# KiCad board jetson-orin-baseboard-oculink-expansion.kicad_pcb (continued)
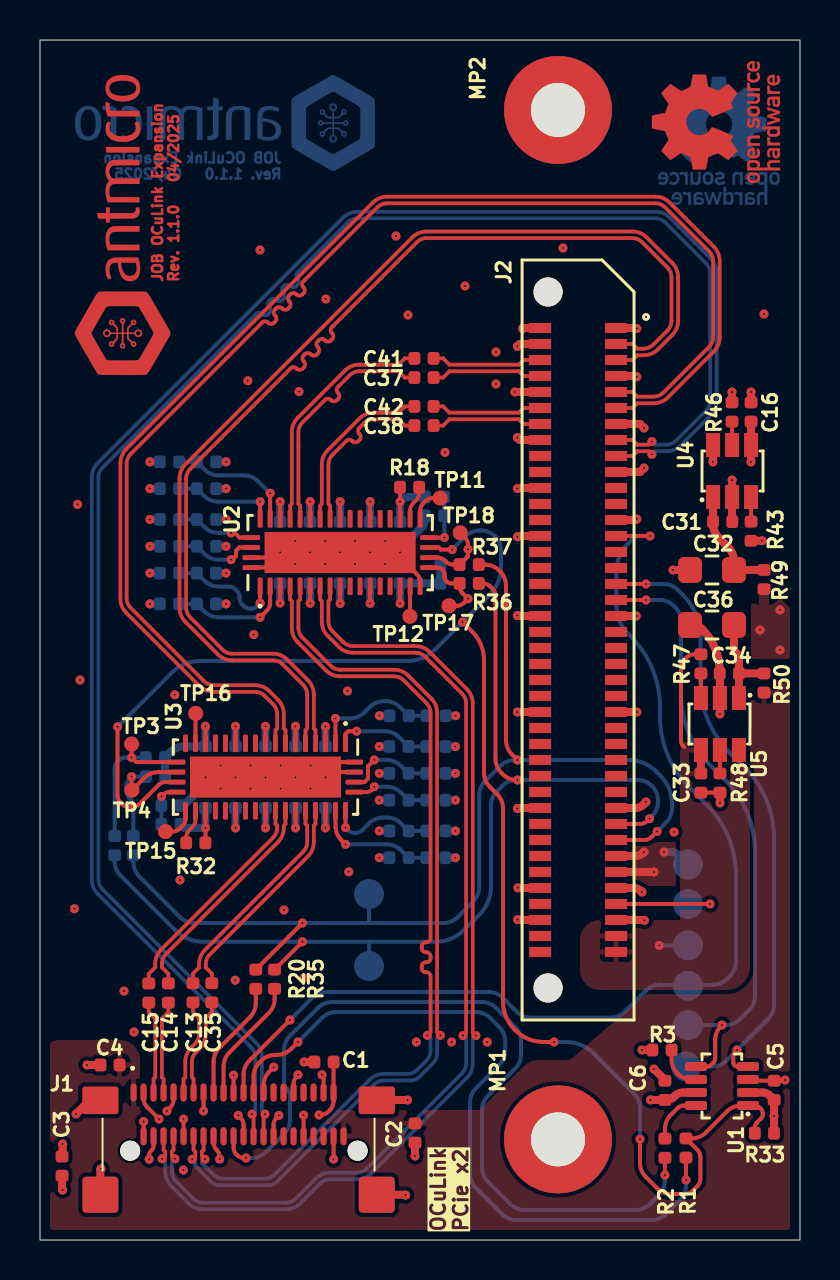
[diagram p0: board, top side]
## Routing (per net, layer and track width the routed paths; a pad name or vN(x,y) marks a point on that pad's centre or on a via; arc(x,y) is an arc through that point) (continued)
/PCIE_{O}_RX0-: length 49.4
  Top w0.185: v1(21.15,10.22) 21.31,10.38 21.31,26.83 arc(21.26,27.09) 21.11,27.31 19.25,29.17 arc(19.03,29.31) 18.77,29.36 15.65,29.36 arc(15.26,29.44) 14.94,29.66 14.38,30.21 arc(14.17,30.54) 14.09,30.92 14.09,31.94 14,32.03 U2.7 ; v1(6.75,4.06) 6.59,4.22 6.59,4.42 6.68,4.5 J1.A4
  Bottom w0.185: v1(21.15,10.22) 21.31,10.07 21.31,8.82 arc(21.26,8.56) 21.11,8.34 16.33,3.56 arc(16.11,3.42) 15.85,3.37 14.5,3.37 arc(14.11,3.29) 13.79,3.07 12.78,2.06 arc(12.56,1.92) 12.3,1.87 8.15,1.87 arc(7.89,1.92) 7.67,2.06 6.79,2.94 arc(6.64,3.16) 6.59,3.42 6.59,3.9 v1(6.75,4.06)
/PCIE_{O}_RX1+: length 45.1
  Top w0.185: v1(7.61,4.04) 7.76,4.19 7.76,4.42 7.68,4.5 J1.A6 ; U2.5 13,32.03 12.92,31.94 12.92,30.6 arc(12.97,30.34) 13.12,30.13 14.53,28.71 arc(14.75,28.57) 15.01,28.52 17.7,28.52 arc(18.09,28.44) 18.41,28.22 19.56,27.07 arc(19.78,26.74) 19.86,26.36 19.86,10.39 v1(20.01,10.23)
  Bottom w0.185: v1(7.61,4.04) 7.76,3.88 7.76,3.7 8.54,2.93 arc(8.75,2.79) 9.01,2.74 11.39,2.74 arc(11.65,2.79) 11.86,2.93 16.71,7.78 arc(16.93,7.92) 17.19,7.97 18.51,7.97 arc(18.77,8.03) 18.98,8.17 19.66,8.85 arc(19.81,9.07) 19.86,9.32 19.86,10.08 v1(20.01,10.23)
/PCIE_{O}_RX1-: length 45.1
  Top w0.185: J1.A7 8.18,4.5 8.09,4.42 8.09,4.19 v1(8.25,4.04) ; v1(19.37,10.23) 19.53,10.39 19.53,13.18 arc(19.47,13.33) 19.33,13.38 19.29,13.38 arc(19.14,13.44) 19.09,13.58 19.09,13.68 arc(19.14,13.83) 19.29,13.88 19.33,13.88 arc(19.47,13.94) 19.53,14.08 19.53,14.18 arc(19.47,14.33) 19.33,14.38 19.29,14.38 arc(19.14,14.44) 19.09,14.58 19.09,14.68 arc(19.14,14.83) 19.29,14.88 19.33,14.88 arc(19.47,14.94) 19.53,15.08 19.53,26.36 arc(19.48,26.62) 19.33,26.84 18.18,27.99 arc(17.96,28.13) 17.7,28.19 15.01,28.19 arc(14.62,28.26) 14.3,28.48 12.88,29.89 arc(12.67,30.22) 12.59,30.6 12.59,31.94 12.5,32.03 U2.4
  Bottom w0.185: v1(8.25,4.04) 8.09,3.88 8.09,3.84 8.67,3.26 arc(8.89,3.12) 9.15,3.06 11.25,3.06 arc(11.51,3.12) 11.73,3.26 16.48,8.01 arc(16.8,8.23) 17.19,8.31 18.37,8.31 arc(18.63,8.36) 18.85,8.5 19.33,8.98 arc(19.48,9.2) 19.53,9.46 19.53,10.08 v1(19.37,10.23)
/PCIE_{O}_TX0+: length 4.7
  Top w0.185: C15.2 5.44,11.39 5.76,11.06 5.76,8.14 5.68,8.06 J1.B3
/PCIE_{O}_TX0-: length 4.7
  Top w0.185: J1.B4 6.18,8.06 6.09,8.14 6.09,11.06 6.42,11.39 C14.2
/PCIE_{O}_TX1+: length 4.9
  Top w0.185: J1.B6 7.18,8.06 7.26,8.14 7.26,8.93 ; C13.2 7.65,11.4 7.95,11.09 7.96,10.28 ; 7.96,10.29 arc(7.9,10.03) 7.76,9.82 7.56,9.61 arc(7.34,9.29) 7.26,8.91
/PCIE_{O}_TX1-: length 4.9
  Top w0.185: J1.B7 7.68,8.06 7.59,8.14 7.59,8.93 ; 8.28,10.28 8.28,11.09 8.59,11.4 C35.2 ; 7.59,8.91 arc(7.64,9.16) 7.79,9.38 7.99,9.58 arc(8.21,9.91) 8.28,10.29
/RX_EQ0: length 3.9
  Top w0.2: v1(9.56,35.36) 9.74,35.36 9.98,35.12 U2.39
  Bottom w0.2: R5.2 R4.2 8.22,35.65 arc(8.55,35.43) 8.93,35.36 v1(9.56,35.36)
/RX_EQ1: length 3.9
  Top w0.2: 9.62,34.02 9.8,34.2 9.8,34.46 9.96,34.62 U2.40
  Bottom w0.2: R7.2 R6.2 8.22,34.31 arc(8.55,34.09) 8.93,34.02 9.31,34.02
  vias: v1(9.56,34.02)
/RX_EQ2: length 5.8
  Top w0.2: U2.1 v1(11,31.85)
  Bottom w0.2: R9.2 R8.2 8.22,32.97 arc(8.55,32.75) 8.93,32.67 9.46,32.67 arc(9.61,32.64) 9.74,32.56 9.86,32.44 arc(9.95,32.31) 9.98,32.15 9.98,32.08 arc(10.01,31.92) 10.1,31.79 10.2,31.69 arc(10.33,31.6) 10.49,31.57 10.56,31.57 arc(10.72,31.6) 10.85,31.69 v1(11,31.85)
/RX_FG0: length 6.4
  Top w0.2: U2.37 v1(11.5,37.34)
  Bottom w0.2: v1(11.5,37.34) 10.91,37.94 arc(10.58,38.15) 10.2,38.23 8.94,38.23 arc(8.55,38.31) 8.23,38.52 R10.2 R11.2
/RX_FG1: length 5.1
  Top w0.2: U2.38 v1(11,36.92)
  Bottom w0.2: v1(11,36.92) 8.91,36.92 arc(8.53,36.99) 8.2,37.21 R12.2 R13.2
/RX_SW: length 6
  Top w0.2: U2.2 11.5,31.84 arc(11.47,31.65) 11.36,31.49 v1(11,31.13)
  Bottom w0.2: R15.2 R14.2 8.22,31.43 arc(8.5,31.23) 8.83,31.14 8.83,31.13 v1(11,31.13)
/TX_EQ0: length 3.8
  Top w0.2: 15.71,22.4 16.31,22.4 arc(16.47,22.43) 16.6,22.51 16.63,22.55
  Bottom w0.2: v1(16.71,22.66) 17.34,22.66 arc(17.72,22.59) 18.04,22.37 R17.2 R19.2
/TX_EQ1: length 4.7
  Top w0.2: 15.71,22.9 16.23,22.9 16.4,23.07 16.4,23.69 v1(16.71,24)
  Bottom w0.2: v1(16.71,24) 17.34,24 arc(17.72,23.93) 18.04,23.71 R21.2 R22.2
/TX_EQ2: length 4.8
  Top w0.2: U3.1 15.28,25.31 15.41,25.44 v1(15.83,25.44)
  Bottom w0.2: v1(15.83,25.44) 17.24,25.44 arc(17.62,25.36) 17.95,25.15 R23.2 R24.2
/TX_FG0: length 6.1
  Top w0.2: U3.37 14.78,20.7 arc(14.85,20.32) 15.07,19.99 v1(15.28,19.78)
  Bottom w0.2: R26.2 18.43,19.11 18.05,19.49 arc(17.72,19.71) 17.34,19.78 15.28,19.78
/TX_FG1: length 5.5
  Top w0.2: U3.38 v1(15.28,20.62)
  Bottom w0.2: v1(15.28,20.62) 15.4,20.5 arc(15.56,20.39) 15.75,20.35 15.76,20.35 arc(15.95,20.39) 16.12,20.5 16.45,20.83 arc(16.78,21.05) 17.16,21.12 17.34,21.12 arc(17.72,21.05) 18.05,20.83 18.43,20.45 R28.2
/TX_SW: length 6.3
  Top w0.2: U3.2 v1(14.78,26.08)
  Bottom w0.2: v1(14.78,26.08) 15.51,26.08 arc(15.89,26.16) 16.21,26.37 16.49,26.65 arc(16.81,26.86) 17.19,26.94 17.29,26.94 arc(17.67,26.86) 18,26.65 R29.2 R30.2
/~{CPRSNT}: length 78.8
  Top w0.2: v1(25.7,9.9) 25.18,9.9 arc(24.41,10.05) 23.76,10.49 23.74,10.51 arc(23.3,11.16) 23.15,11.93 23.15,21.59 arc(23.07,21.97) 22.86,22.29 22.49,22.66 arc(22.28,22.98) 22.2,23.36 22.2,29 arc(22.05,29.77) 21.61,30.42 v1(21.13,30.9) ; v1(3.88,25.66) 3.88,25.66 3.88,22.23 arc(3.91,22.04) 4.02,21.88 4.09,21.81 arc(4.26,21.7) 4.45,21.66 4.63,21.66 arc(4.82,21.7) 4.98,21.81 5.92,22.75 arc(6.09,22.86) 6.28,22.9 U3.20 ; U2.20 19.94,34.62 20.04,34.52 v1(20.61,34.52) ; R33.1 35.74,5.64 arc(35.76,5.75) 35.83,5.85 36.05,6.07 arc(36.12,6.17) 36.14,6.28 36.14,6.34 arc(36.12,6.45) 36.05,6.55 35.96,6.64 arc(35.86,6.7) 35.75,6.73 ; v1(30,5.04) 30,3.85 arc(30.08,3.47) 30.29,3.15 30.85,2.59 arc(31.17,2.38) 31.55,2.3 32.26,2.3 arc(32.45,2.34) 32.62,2.45 32.87,2.7 arc(32.98,2.87) 33.02,3.06 33.02,4.15 arc(32.98,4.34) 32.87,4.51 R1.1 32.59,5.08 arc(32.97,5.16) 33.29,5.37 34.35,6.43 arc(34.68,6.65) 35.06,6.73
  Bottom w0.2: v1(25.7,9.9) 26.29,9.9 arc(27.06,9.75) 27.71,9.31 29.71,7.32 arc(29.92,6.99) 30,6.61 v1(30,5.04) ; v1(20.61,34.52) 21.28,35.19 arc(21.6,35.4) 21.98,35.48 22.04,35.48 arc(22.42,35.4) 22.75,35.19 22.76,35.18 arc(22.97,34.85) 23.05,34.47 23.05,33.65 arc(22.9,32.88) 22.46,32.23 v1(21.13,30.9) 19.77,29.54 arc(19.12,29.1) 18.35,28.95 8,28.95 arc(7.24,28.8) 6.59,28.36 4.65,26.42 4.64,26.42 v1(3.88,25.66)
/~{PCIE_CWAKE}: length 2.3
  Top w0.2: R2.1 31.25,5.55 arc(31.32,5.93) 31.54,6.25 31.87,6.58 arc(32.03,6.69) 32.22,6.73 32.43,6.73
/~{PCIE_RST}: length 54.8
  Top w0.2: J2.27 30.5,35.2 v1(30.5,35.2) ; v1(12.5,11) 10.47,8.97 arc(10.25,8.65) 10.18,8.26 J1.B12
  Bottom w0.2: v1(30.5,35.2) 29.99,35.2 arc(29.8,35.16) 29.63,35.05 29.41,34.83 arc(28.97,34.18) 28.82,33.41 28.82,31.73 arc(28.97,30.96) 29.41,30.31 29.54,30.18 arc(30.62,28.56) 31,26.65 31,26.17 arc(31.38,24.26) 32.46,22.64 33.34,21.76 arc(34.42,20.14) 34.8,18.23 34.8,13.91 arc(34.72,13.53) 34.51,13.21 34.36,13.06 arc(34.03,12.84) 33.65,12.76 31,12.76 arc(30.61,12.69) 30.29,12.47 29.23,11.41 arc(28.91,11.2) 28.53,11.12 24.54,11.12 arc(24.16,11.2) 23.84,11.41 23.14,12.11 arc(22.82,12.32) 22.44,12.4 14.31,12.4 arc(13.93,12.32) 13.61,12.11 v1(12.5,11)
Net-(J1-SCL): length 6
  Top w0.2: R20.2 10.79,11.84 arc(10.71,11.46) 10.5,11.14 8.97,9.61 arc(8.75,9.29) 8.68,8.9 J1.B9
Net-(J1-SDA): length 6.2
  Top w0.2: R35.2 11.73,12.05 arc(11.65,11.67) 11.44,11.35 9.47,9.38 arc(9.25,9.06) 9.18,8.67 J1.B10
Net-(J1-~{CPRSNT}): length 37
  Top w0.2: v1(12.9,9.9) 12.55,9.55 arc(12.22,9.33) 11.84,9.26 11.77,9.26 arc(11.39,9.18) 11.06,8.96 10.97,8.87 arc(10.75,8.55) 10.68,8.16 J1.B13 ; v1(32.3,3) R1.2
  Bottom w0.2: v1(12.9,9.9) 14.11,11.11 arc(14.43,11.32) 14.81,11.4 21.8,11.4 arc(22.18,11.32) 22.5,11.11 22.97,10.64 arc(23.18,10.32) 23.26,9.94 23.26,9.46 arc(23.18,9.08) 22.97,8.76 21.79,7.58 arc(21.58,7.26) 21.5,6.88 21.5,3.31 arc(21.58,2.93) 21.79,2.61 23.11,1.29 arc(23.43,1.08) 23.81,1 30.59,1 arc(30.97,1.08) 31.29,1.29 32.01,2.01 arc(32.22,2.33) 32.3,2.71 v1(32.3,3)
Net-(J1-~{CWAKE}): length 41.2
  Top w0.2: 9.68,5.14 9.68,4.63 arc(9.72,4.44) 9.83,4.27 9.85,4.25 arc(10.02,4.14) 10.21,4.1 v1(10.3,4.1) ; v1(31.25,3.25) R2.2
  Bottom w0.2: v1(10.3,4.1) 10.59,4.1 arc(10.97,4.18) 11.29,4.39 12.21,5.31 arc(12.42,5.63) 12.5,6.01 12.5,7.19 arc(12.46,7.38) 12.35,7.55 12.35,7.55 arc(12.24,7.71) 12.2,7.9 12.2,9.5 arc(12.28,9.88) 12.5,10.2 13.9,11.61 arc(14.22,11.82) 14.61,11.9 20.25,11.9 22.1,11.9 arc(22.48,11.82) 22.8,11.61 23.76,10.65 arc(23.97,10.33) 24.05,9.95 24.05,9.27 arc(23.97,8.89) 23.76,8.57 22.39,7.2 arc(22.18,6.88) 22.1,6.5 22.1,3.62 arc(22.18,3.24) 22.39,2.92 23.52,1.79 arc(23.84,1.58) 24.22,1.5 29.79,1.5 arc(30.17,1.58) 30.49,1.79 30.95,2.25 arc(31.17,2.58) 31.25,2.96 v1(31.25,3.25)
Net-(U1-~{THREE_STATE}): length 2.3
  Top w0.2: 32.8,8.03 32.59,8.03 arc(32.21,8.1) 31.88,8.32 31.87,8.33 arc(31.66,8.65) 31.58,9.03 R3.2
Net-(U2-EN_{I2C}): length 2.8
  Top w0.2: v1(20.22,35.12) U2.21
  Bottom w0.2: R39.2 R31.2 ; v1(20.22,35.12) 20.22,36.19
Net-(U2-I2C_{DONE}): length 1.2
  Top w0.2: 19,36.36 19,36.47 arc(19.04,36.66) 19.15,36.82 19.28,36.95 arc(19.44,37.06) 19.63,37.1 19.74,37.1
Net-(U2-RXDET): length 1.7
  Top w0.185: R18.2 18.96,37.35 arc(18.92,37.16) 18.81,36.99 18.65,36.83 arc(18.54,36.67) 18.51,36.48 U2.23
Net-(U2-SCL): length 4.5
  Top w0.2: U2.19 19.88,34.12 arc(20.07,34.08) 20.23,33.98 20.29,33.92 arc(20.46,33.81) 20.65,33.77 R37.2 21.4,34.19 21.4,34.76 arc(21.36,34.95) 21.25,35.12 TP18.1
  Bottom w0.2: v1(21.4,34.54) 21.4,34.4 arc(21.36,34.21) 21.25,34.04 R37.2
Net-(U2-SDA): length 4.7
  Top w0.2: TP17.1 20.84,31.71 arc(21.03,31.75) 21.19,31.86 v1(21.4,32.06) 21.13,32.34 arc(21.02,32.5) 20.98,32.69 ; 20.97,32.83 20.55,32.83 arc(20.44,32.85) 20.34,32.92 20.32,32.94 arc(20.25,33.04) 20.23,33.15 20.23,33.3 arc(20.21,33.41) 20.14,33.51 20.12,33.53 arc(20.02,33.6) 19.9,33.62 U2.18
  Bottom w0.2: v1(21.4,32.06) 21.13,32.34 arc(21.02,32.5) 20.98,32.69
Net-(U2-~{I2C_{RESET}}): length 1.5
  Top w0.2: U2.16 18.5,31.2
Net-(U3-EN_{I2C}): length 1.8
  Top w0.2: v1(6.08,22.18) 6.17,22.28 arc(6.3,22.37) 6.46,22.4 U3.21
  Bottom w0.2: R34.2 R38.2
Net-(U3-I2C_{DONE}): length 1.7
  Top w0.2: U3.22 7.28,21.06 arc(7.24,20.87) 7.13,20.71 6.99,20.57 arc(6.83,20.46) 6.63,20.42 TP15.1
Net-(U3-RXDET): length 1.7
  Top w0.185: U3.23 7.77,21.01 arc(7.74,20.82) 7.63,20.65 7.46,20.48 arc(7.35,20.32) 7.31,20.13 R32.2
Net-(U3-SCL): length 7.1
  Top w0.2: v1(4.58,23.17) 4.58,22.51 ; TP4.1 5.21,23.1 arc(5.54,23.32) 5.92,23.4 U3.19
  Bottom w0.2: R40.1 v1(4.58,23.17) 4.46,23.04 arc(4.35,22.88) 4.31,22.69 4.31,22.49 arc(4.35,22.3) 4.46,22.13 4.52,22.07 arc(4.63,21.9) 4.67,21.71 R45.2
Net-(U3-SDA): length 8.3
  Top w0.2: U3.18 4.81,23.9 v1(4.58,24.13) TP3.1
  Bottom w0.2: R44.2 3.73,23.57 arc(3.77,23.76) 3.88,23.93 3.93,23.98 arc(4.09,24.09) 4.28,24.13 R42.1
Net-(U3-~{I2C_{RESET}}): length 1.5
  Top w0.2: U3.16 7.78,26.32
Net-(U4-FLG): length 1.2
  Top w0.2: U4.3 R43.2
Net-(U4-ISET): length 1.2
  Top w0.2: 34.6,39.75 34.6,40.92
Net-(U4-OUT): length 5.5
  Top w0.4: R49.1 C32.2 34.7,33.94 arc(34.62,34.32) 34.41,34.64 33.95,35.1 arc(33.73,35.43) 33.65,35.81 U4.1
Net-(U5-FLG): length 1.2
  Top w0.2: U5.3 R47.2
Net-(U5-ISET): length 1.2
  Top w0.2: U5.5 34,23.33
Net-(U5-OUT): length 5
  Top w0.4: C34.2 36.2,28.33 ; C34.2 U5.1 ; C34.2 34.95,29.06 arc(34.92,29.19) 34.84,29.31 34.8,29.35 arc(34.73,29.46) 34.7,29.59 C36.2

## Copper pours and planes (outline as drawn; the poured copper is in the pictures)
+1V8 on In2.Cu: 33,17.2 33,16.4 36.1,16.4 36.7,15.8 36.7,7.7 38.07,7.7 38,17.2
+3V3 on Top: 29.6,19.9 29.6,17.7 32,17.7 32,19.9
+3V3 on In1.Cu: 33,40 38,40 38,32.85 35.5,32.85 35.5,15.5 32.5,15.5 32.5,6 30.5,6 27.5,9 27.5,20 33,20
+3V3 on In2.Cu: 8.4,39.6 10.1,39.6 10.1,37.7 19.4,37.7 19.4,28.3 32,28.3 32.04,19 30.5,17.5 16.1,17.5 16.1,20.1 7.7,20.1 7.7,26.5 8.4,26.5
+3V3_OCU on Top: 35.55,32.5 36.6,32.5 38,31.1 38,29.05 35.55,29.05
+3V3_OCU on In1.Cu: 38,32.85 35.5,32.85 35.5,15.5 32.5,15.5 32.5,6 30.5,6 27.5,9 24.5,9 22.5,7 14,7 11,3.5 6,3.5 5.5,4 5.5,6.5 0,6.5 0,3.1 -0.01,0 38,0.03
+5V on Top: 34.8,12.5 27,12.5 27,16 32,16 32,25.25 35.5,25.25 35.5,13.2
+5V_OCU on Top: 38,28 35.5,28.01 35.5,13.2 34.8,12.5 30.5,12.5 26.5,9 24.5,9 22,6.5 5,6.5 5,10 0,10 0,0 38,0
GND on Bottom: 11.69,35.25 18.32,35.25 18.32,33.5 11.69,33.5
GND on Bottom: 14.59,22.27 7.95,22.27 7.95,24.02 14.59,24.02
GND on In1.Cu, In2.Cu: 38,0.03 0,0 0.01,59.99 38,60.03

## Text on the board
Bottom: JOB OCuLink Expansion / Rev. ${REVISION}   04/2025
B.Mask: JOB OCuLink Expansion / Rev. ${REVISION}   04/2025
B.Silkscreen: PCB SHA ######## | FG0 | FG1 | EQ0 | EQ1 | EQ2 | SW | OCuLink / PCie x2 | SCL | SDA | ~{RST} | +5V | +3.3V | +1.8V | ~{CWAKE} | ~{CPRSNT}
Top: JOB OCuLink Expansion / Rev. ${REVISION}   04/2025
F.Mask: JOB OCuLink Expansion / Rev. ${REVISION}   04/2025
F.Silkscreen: OCuLink / PCie x2
